# Altium PCB pcb_82.PcbDoc (part 1 of 2) (continued)
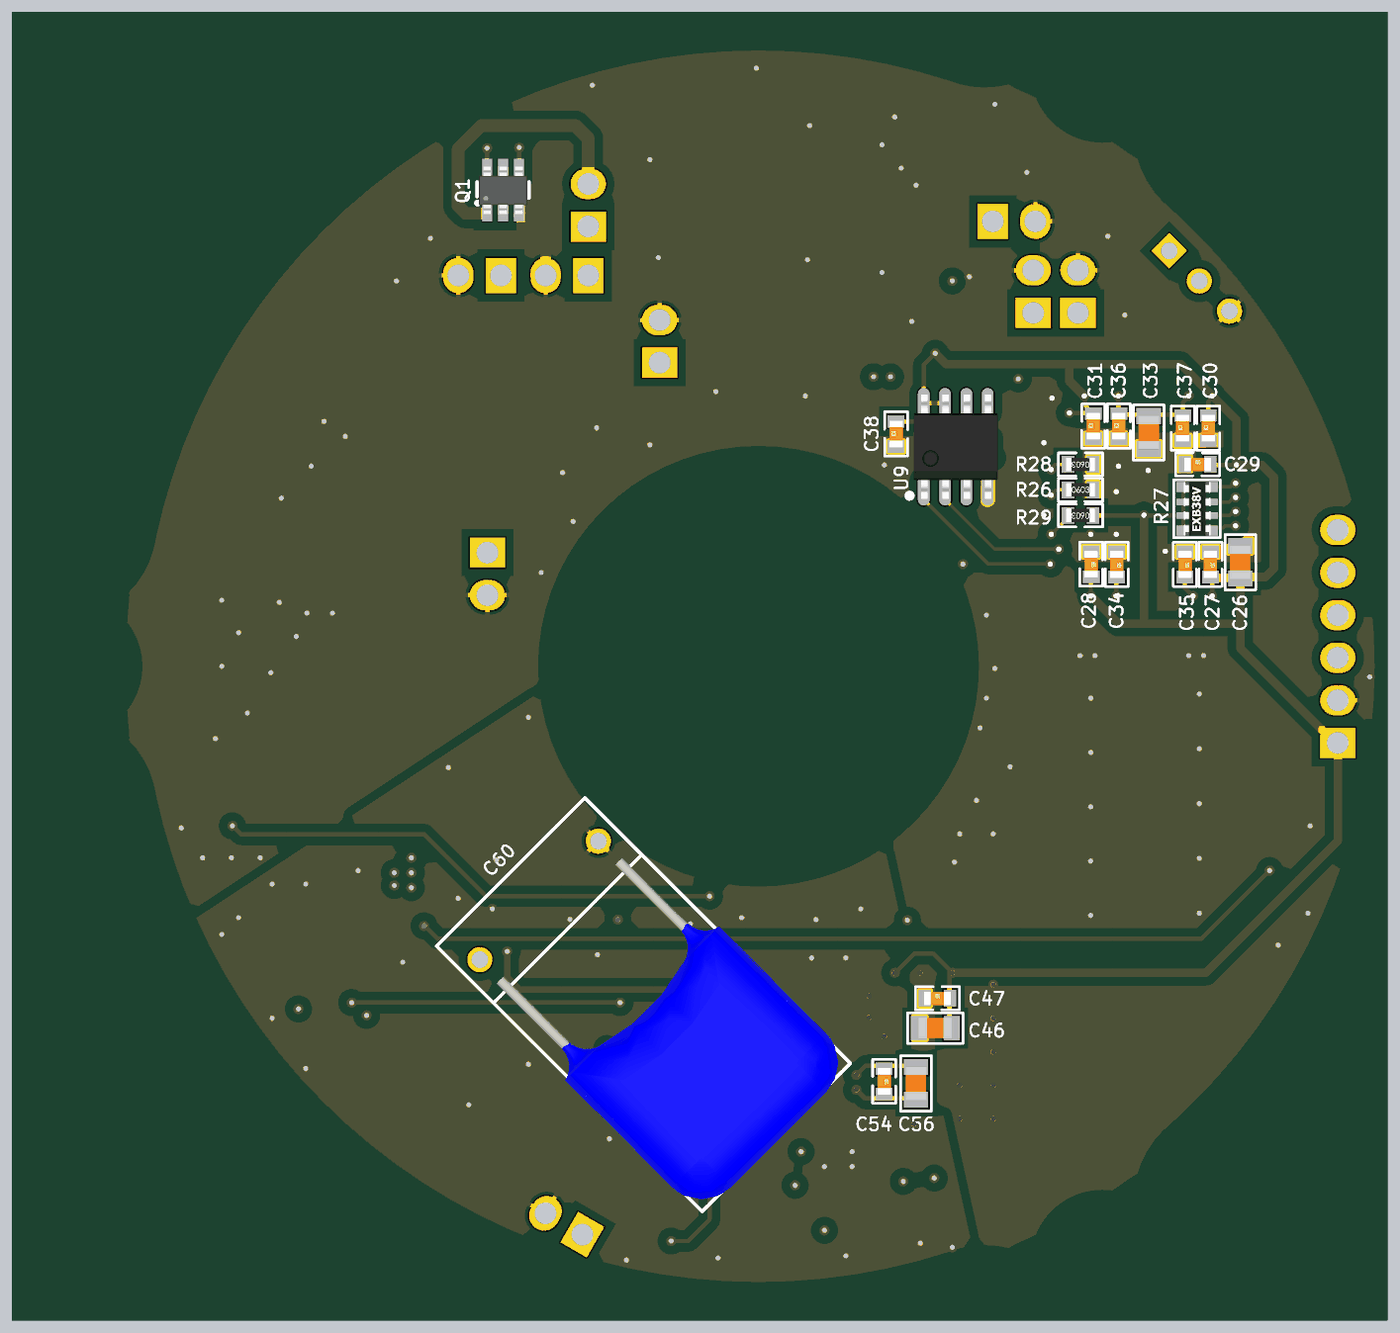
[diagram p6: 3D render of the assembled board from below, using the file's embedded part models]

## Layer stack, top to bottom
Top Solder: solder mask 0.4, Solder Resist, Dk 3.5
Top Layer: signal copper 1.4
Dielectric 2: prepreg 7.874, PP-006, Dk 4.1
Layer 1: signal copper 0.689
Dielectric 3: prepreg 41.9291, PP-006, Dk 4.1
Layer 2: signal copper 0.689
Dielectric 1: dielectric 7.874, FR-4, Dk 4.8
Bottom Layer: signal copper 1.4
Bottom Solder: solder mask 0.4, Solder Resist, Dk 3.5

## Board outline
-931.33,-1338.27 ccw(c-1108.8,-1253.1) -978.36,-1105.67 cw(c-0.02,0.02) -978.36,1105.71 ccw(c-1108.8,1253.13) -931.33,1338.31 cw(c-807.11,1397.93) -693.36,1475.7 ccw(c-530.86,1586.81) -468.41,1400.13 cw(c-0.02,0.02) 1446.7,294.44 ccw(c1639.6,333.69) 1624.63,137.41 cw(c1614.15,0.02) 1624.63,-137.38 ccw(c1639.6,-333.66) 1446.7,-294.4 cw(c-0.02,0.02) -468.41,-1400.09 ccw(c-530.86,-1586.77) -693.36,-1475.67 cw(c-807.11,-1397.9)
cut-out: -807.09,1329.02 cw(c-807.09,1397.91) -875.98,1397.91 cw(c-807.09,1397.91) -807.09,1466.81 cw(c-807.09,1397.91) -738.19,1397.91 cw(c-807.09,1397.91)
cut-out: 1545.28,0 ccw(c1614.17,0) 1614.17,-68.9 ccw(c1614.17,0) 1683.07,0 ccw(c1614.17,0) 1614.17,68.9 ccw(c1614.17,0)
cut-out: -875.98,-1397.91 ccw(c-807.09,-1397.91) -807.09,-1466.81 ccw(c-807.09,-1397.91) -738.19,-1397.91 ccw(c-807.09,-1397.91) -807.09,-1329.02 ccw(c-807.09,-1397.91)
cut-out: -492.13,0 ccw(c0,0) 0,-492.13 ccw(c0,0) 492.13,0 ccw(c0,0) 0,492.13 ccw(c0,0)

## Design rules (kind name [scope] priority, off if disabled: settings)
Clearance [All] p1: gap=6 ignorepadtopadclearanceinfootprint=TRUE except(10: Arc-Fill Track-Fill SMDPad-Fill THPad-Fill Via-Fill Fill-Fill; 20: Arc-Poly Track-Poly SMDPad-Poly THPad-THPad THPad-Via THPad-Poly THPad-Text THPad-Hole Via-Poly Fill-Poly Poly-Poly)
ComponentClearance [All] p1: gap=0 collisioncheckmode=3 verticalgap=0 showdistances=FALSE
HoleSize [All] p1: absolutevalues=TRUE maxlimit=393.7 minlimit=7.87 maxpercent=80.000 minpercent=20.000
MinimumSolderMaskSliver [All] p1: minsoldermaskwidth=0
PolygonConnect [All] p1: thpad.connectstyle=Relief thpad.reliefconductorwidth=10 thpad.reliefentries=4 thpad.polygonreliefangle="90 Angle" thpad.airgapwidth=10 smdpad.connectstyle=Direct smdpad.reliefconductorwidth=10 smdpad.reliefentries=4 smdpad.polygonreliefangle="90 Angle" smdpad.airgapwidth=10 via.connectstyle=Direct via.reliefconductorwidth=10 via.reliefentries=4 via.polygonreliefangle="90 Angle" via.airgapwidth=10
RoomDefinition U_FPGA [InComponentClass('U_FPGA')] p1: confinementstyle=ConfineIn formatcopy=TRUE lockcomponents=FALSE outline -1775,-235 10,-235 10,1580 -1775,1580
RoomDefinition U_Power [InComponentClass('U_Power')] p2: confinementstyle=ConfineIn formatcopy=TRUE lockcomponents=FALSE outline -1275,-1600 1725,-1600 1725,1495 -1275,1495
RoomDefinition "U_AtoD Conversion" [InComponentClass('U_AtoD Conversion')] p3: confinementstyle=ConfineIn formatcopy=TRUE lockcomponents=FALSE outline -1605,-1650 1610,-1650 1610,65 -1605,65
RoutingVias [All] p1: holewidth=7.87 width=17.72 viastyle="Through Hole" minholewidth=7.87 minwidth=17.72 maxholewidth=236.22 maxwidth=236.22
SilkToSilkClearance [All] p1: silktosilkclearance=1
SilkToSolderMaskClearance [IsPad] p1: minsilkscreentomaskgap=0 clearancetoexposedcopper=TRUE
SolderMaskExpansion [All] p1: expansion=4 istentingtop=FALSE
Width [All] p1: maxlimit=100 minlimit=6 preferedwidth=10
25 further rules are at their usual default settings.

## Classes and differential pairs
net class D[0..13]: D0 D1 D2 D3 D4 D5 D6 D7 D8 D9 D10 D11 D12 D13
component class U_Power: B1 BT1 C1 C2 C3 C4 C5 C6 C7 C8 C9 C10 C11 C12 C13 C14 C15 C16 C17 C18 C19 C20 C21 D2 D3 D4 D5 L1 L2 L3 L4 L8 L9 L10 L11 L12 P1 P2 P3 P4 Q1 R1 R2 R3 R4 R5 R6 R8 R10 R12 R13 R15 R16 R17 R18 R19 R20 R21 U1 U2 U3 U4 U5 U6 U7 U17
component class U_FPGA: B2 B3 C23 C24 C26 C27 C28 C29 C30 C31 C32 C33 C34 C35 C36 C37 C38 C39 C40 D1 J1 P5 P6 P7 P8 R22 R23 R24 R25 R26 R27 R28 R29 R47 U8 U9 Y1
component class "U_AtoD Conversion": B4 C41 C42 C43 C44 C45 C46 C47 C48 C49 C50 C51 C52 C53 C54 C55 C56 C57 C58 C59 C60 C61 C62 C63 C64 C65 C66 C67 C68 C69 L5 L6 L7 P9 Q2 Q3 Q4 R30 R31 R32 R33 R34 R35 R36 R37 R38 R39 R40 R41 R42 R43 R44 R45 R46 U10 U11 U12 U13 U14 U15 U16

## Components (designator, comment, footprint, x,y, rotation, side; value= is the part's Value field where it differs from the comment)
B1 "600Ω@100MHz" R0805_L 610.96,-64.51 r90 top
B2 "600Ω@100MHz" R0805_L -500,295 r0 top
B3 "600Ω@100MHz" R0805_L -415,620 r270 top
B4 "600Ω@100MHz" R0805_L -635,-335 r270 top
BT1 "18650" CP1X2 399.65,1032.93 r90 top
C1 "10uF" R0805_C 356.98,823.89 r0 top
C2 "100nF" R0603_C 493.55,1138.56 r270 top
C3 "1nF" R0603_C 485.12,828.8 r180 top
C4 "100pF" R0603_C 390,725 r270 top
C5 "100uF" CASE-E_7343 573.37,563.05 r180 top
C6 "100uF" CASE-E_7343 865,665 r270 top
C7 "10uF" R0805_C 635.96,-309.51 r0 top
C8 "10uF" R0805_C 690.96,-62.89 r90 top
C9 "100nF" R0603_C 765.96,-209.51 r270 top
C10 "1uF" R0603_C 930.96,-104.51 r0 top
C11 "10uF" R0805_C 1270.96,-259.51 r270 top
C12 "10uF" R0805_C 975.96,-314.51 r180 top
C13 "100nF" R0603_C 870.96,-324.51 r270 top
C14 "10uF" R0805_C 900.96,-424.51 r0 top
C15 "10uF" R0805_C -74.13,988.84 r0 top
C16 "10uF" R0805_C -299.13,1073.84 r270 top
C17 "10uF" R0805_C 1121.32,308.54 r270 top
C18 "22uF" R1210_C 796.32,266.93 r180 top
C19 "10uF" R0805_C -67.93,694.05 r0 top
C20 "10uF" R0805_C -297.93,775.67 r270 top
C21 "10nF" R0603_C 645.96,-404.51 r0 top
C23 "100nF" R0603_C -535,200 r270 top
C24 "100pF" R0603_C -525,845 r180 top
C26 "10uF" R0805_C -1131.07,244.2 r270 bottom
C27 "100nF" R0603_C -1061.07,239.2 r270 bottom
C28 "100nF" R0603_C -781.07,239.68 r270 bottom
C29 "100nF" R0603_C -1031.07,474.2 r180 bottom
C30 "100nF" R0603_C -1056.07,559.2 r90 bottom
C31 "100nF" R0603_C -786.07,564.2 r90 bottom
C32 "100nF" R0603_C -1290,480 r270 top
C33 "10uF" R0805_C -916.07,549.2 r270 bottom
C34 "100nF" R0603_C -841.07,239.2 r270 bottom
C35 "100nF" R0603_C -1001.07,239.2 r270 bottom
C36 "100nF" R0603_C -846.07,564.2 r90 bottom
C37 "100nF" R0603_C -996.07,559.2 r90 bottom
C38 "100nF" R0603_C -323.03,545.68 r90 bottom
C39 "100nF" R0603_C -371.65,1058.84 r270 top
C40 "100nF" R0603_C -440,520 r0 top
C41 "100nF" R0603_C -254.71,-1220.37 r180 top
C42 "10uF" R0805_C 445.32,-738.3 r270 top
C43 "100nF" R0603_C 378.15,-748.9 r270 top
C44 "10uF" R0805_C 161.74,-954.01 r0 top
C45 "100nF" R0603_C 200.13,-859.49 r270 top
C46 "22uF" R0805_C -415,-850 r180 bottom
C47 "100nF" R0603_C -420,-780 r180 bottom
C48 "10uF" R0805_C 1098.66,-729.74 r195 top
C49 "100nF" R0603_C 1050.18,-604.08 r195 top
C50 "100nF" R0603_C 1065.71,-662.04 r195 top
C51 "100nF" R0603_C -155,-1245 r270 top
C52 "10uF" R0805_C -453.38,-1280.76 r270 top
C53 "100nF" R0603_C -320,-535 r0 top
C54 "100nF" R0603_C -295,-975 r270 bottom
C55 "100nF" R0603_C -380,-1275 r90 top
C56 "10uF" R0805_C -370,-980 r270 bottom
C57 "100nF" R0603_C -59.69,-1007.65 r0 top
C58 "100nF" R0603_C -60.67,-949.34 r0 top
C59 "10nF" R0603_C 24.59,-1045.89 r90 top
C60 "470nF/聚酯" "P=10MM -L" 515,-550 r315 bottom
C61 "100nF" R0603_C 215.13,-639.01 r90 top
C62 "100nF" R0603_C 275,-515 r90 top
C63 "100pF" R0603_C 405,-1225 r0 top
C64 "100pF" R0603_C 405,-1165 r180 top
C65 "100pF" R0603_C 279.15,-1180.24 r0 top
C66 "100pF" R0603_C 279.15,-1293.38 r180 top
C67 "100pF" R0603_C 540.13,-864.01 r90 top
C68 "100nF" R0603_C 116.52,-1067.1 r180 top
C69 "100nF" R0603_C 65,-1345 r180 top
D1 "MHT192WDT-C2" LED_0603_RED -420,1305 r0 top
D2 "B340A-13-F" SMA(DO-214AC)_S2 795.96,-9.51 r270 top
D3 "B340A-13-F" SMA(DO-214AC)_S2 990.96,-9.51 r180 top
D4 "B340A-13-F" SMA(DO-214AC)_S2 930.96,-204.51 r0 top
D5 "B340A-13-F" SMA(DO-214AC)_S2 778.64,391.93 r0 top
J1 "HEADER3/2.54" SIP3/2.54 -964.29,975.71 r225 top
L1 "4.7uH" NR2520 715,795 r0 top
L2 "4.7uH" NR2520 1115.96,-189.51 r180 top
L3 "1kΩ @ 100MHz" R1206_L 1365,-245 r270 top
L4 "1kΩ @ 100MHz" R1206_L 20,1120 r270 top
L5 "1kΩ @ 100MHz" R1206_L 535,-720 r270 top
L6 "1kΩ @ 100MHz" R1206_L 123.13,-831.01 r270 top
L7 "1kΩ @ 100MHz" R1206_L 897.78,-563.92 r15 top
L8 "2.2uH" NR2016 -199.13,988.84 r180 top
L9 "4.7uH" NR2520 966.32,376.93 r180 top
L10 "1kΩ @ 100MHz" R1206_L 1210,325 r270 top
L11 "1kΩ @ 100MHz" R1206_L 20,840 r270 top
L12 "2.2uH" NR2016 -192.93,694.05 r180 top
P1 "Header 2" CP1X2 399.65,917.93 r0 top
P2 "Header 2" CP1X2 232.02,713.2 r90 top
P3 "Header 2" CP1X2 604.65,917.93 r0 top
P4 "Header 2" CP1X2 636.32,266.93 r270 top
P5 "Header 2" CP1X2 -750,830 r90 top
P6 "Header 2" CP1X2 -645,830 r90 top
P7 "Header 2" CP1X2 -550,1045 r180 top
P8 "JTAG" CP1X6 -1360,-180 r90 top
P9 "Header 2" CP1X2 413.4,-1335 r30 top
Q1 "DMG6968UDM-7" DBV0006A_N 599.65,1117.93 r90 bottom
Q2 "MMBT3906TT1G" SOT-23(SOT-23-3) 923.09,-963.14 r15 top
Q3 "MMBT3906TT1G" SOT-23(SOT-23-3) 805.22,-769.3 r285 top
Q4 "FDV301N" SOT-23 762.46,-623.37 r285 top
R1 "470R" R0603_R 493.55,1028.09 r90 top
R2 "2K" R0603_R 700,1110 r270 top
R3 "470R" R0603_R 620,740 r90 top
R4 "10M" R0603_R 584.18,1002.93 r0 top
R5 "1M" R0603_R 325,725 r270 top
R6 "10M" R0603_R 694.18,1002.93 r0 top
R8 "1R" R0603_R 1040.96,-104.51 r180 top
R10 "649K" R0603_R 1026.43,-399.51 r180 top
R12 "0R" R0603_R 1200.96,-184.51 r270 top
R13 "100K" R0603_R 1135.96,-399.51 r180 top
R15 "412K" R0603_R -229.13,1088.84 r270 top
R16 "100K" R0603_R -259.13,1173.84 r0 top
R17 "1.4M" R0603_R 856.79,171.93 r180 top
R18 "0R" R0603_R 1051.32,391.93 r270 top
R19 "100K" R0603_R 966.32,171.93 r180 top
R20 "150K" R0603_R -227.93,794.05 r270 top
R21 "100K" R0603_R -257.93,879.05 r0 top
R22 "47R" R0603_R -550,930 r90 top
R23 "330R" R0603_R -450,1220 r90 top
R24 "4.7K" R0603_R -995.88,824.12 r225 top
R25 "4.7K" R0603_R -920,900 r45 top
R26 "4.7K" R0603_R -756.07,414.2 r180 bottom
R27 "4.7K" R0603X4 -1030,370 r0 bottom
R28 "4.7K" R0603_R -756.07,474.2 r0 bottom
R29 "4.7K" R0603_R -756.07,354.2 r0 bottom
R30 "1K" R0603_R 904.64,-867.11 r15 top
R31 "51R" R0603_R 771.64,-900.19 r195 top
R32 "30R" R0603_R -60,-830 r180 top
R33 "30R" R0603_R -60,-770 r180 top
R34 "2K" R0603_R -61.21,-1070.28 r180 top
R35 "1K" R0603_R 666.76,-954.69 r105 top
R36 "10K" R0603_R -61.65,-891.04 r0 top
R37 "30K" R0603_R 1007.25,-774.94 r285 top
R38 "10K" R0603_R 215.13,-749.01 r90 top
R39 "30K" R0603_R 275.13,-749.49 r270 top
R40 "100K" R0603_R 440,-1080 r270 top
R41 "100K" R0603_R 279.15,-1236.81 r0 top
R42 "1K" R0603_R 480.13,-864.01 r270 top
R43 "10K" R0603_R 235,-1060 r0 top
R44 "100K" R0603_R 345,-1060 r180 top
R45 "10K" R0603_R 280,-1120 r180 top
R46 "100K" R0603_R 279.15,-1349.94 r0 top
R47 "100K" R0603_R -525,785 r180 top
U1 "S-8261AAJMD-G2JT2S" DBV0006A_N 599.65,1117.93 r270 top
U2 "TPS22917DBVR" DBV0006A_N 502.02,728.2 r0 top
U3 "ADP7182AUJZ-5.0-R7" SOT23-5 640.96,-199.51 r180 top
U4 "TLV61048DBVT" DBV0006A_N 1140.96,-299.51 r0 top
U5 "LP2992AIM5-5.0/NOPB" SOT23-5 769.78,-351.81 r270 top
U6 "TLV62568DBVR" SOT23-5 -118.32,1092.7 r0 top
U7 "TLV61048DBVT" DBV0006A_N 996.32,266.93 r0 top
U8 "EP1C3T100C7N" TQFP100 -906.07,394.2 r180 top
U9 "M25P40" SOP-8_150mil -463.03,515.68 r180 bottom
U10 "REF3325AIDBZR" SOT-23(SOT-23-3) -251.18,-1329.97 r90 top
U11 "AD9240ASZRL" MQFP44 -255.75,-654.04 r270 top
U12 "LM4051AIM3" SOT-23(SOT-23-3) 785.62,-1010.32 r105 top
U13 "LTC2050HVHS6" DBV0006A_N 924.09,-678.68 r15 top
U14 "REF3325AIDBZR" SOT-23(SOT-23-3) 325.11,-632.23 r180 top
U15 "AD8336" LFCSP16 300.05,-995.55 r90 top
U16 "AD8510ARZ" SOP-8_150mil 74.26,-1208.27 r90 top
U17 "TLV62568DBVR" SOT23-5 -112.93,799.05 r0 top
Y1 "20MHZ" SMD-3225 -440,425 r270 top

## Footprints (in the part's own frame and the unit in brackets; to place one, negate y for a bottom-side part, rotate by r counter-clockwise, add the part's x,y. Pads: shape width x height; smd on the part's side, far side on the other; paste and mask are expansions set on the pad)
CASE-E_7343 [mm] "CAPMP7343X430A2N"
  rrect50% 2.351x2.551 smd: 1(-3.1,0) 2(3.1,0)
  silkscreen extent -1.75,-2 -1.25,2, body extent -3.7,-2.22 3.7,2.23, height 4.2
CP1X2 [mm]
  rect 1.8x2.1 hole 1.3: 1(0,0)
  oval 1.8x2.1 hole 1.3: 2(2.54,0)
  silkscreen extent -1.27,-1.27 3.81,1.27
CP1X6 [mm] "Connector; Header; 6 Position"
  rect 1.8x2.1 hole 1.3: 1(0,0)
  oval 1.8x2.1 hole 1.3: 2(2.54,0) 3(5.08,0) 4(7.62,0) 5(10.16,0) 6(12.7,0)
  silkscreen extent -1.27,-1.27 13.97,1.27
DBV0006A_N [mm]
  rect 1x0.6 smd paste+0 mask+0.051: 1(-1.375,0.95) 2(-1.375,0) 3(-1.375,-0.95) 4(1.375,-0.95) 5(1.375,0) 6(1.375,0.95)
  silkscreen extent -0.86,-1.55 0.5,1.62, body extent -1.41,-1.45 1.41,1.45, height 1
LED_0603_RED [mm]
  rect 0.8x0.8 smd mask+0.05: 1(-0.75,0) 2(0.75,0)
  silkscreen extent -0.25,-0.4 1.25,0.4, body extent -0.8,-0.41 0.8,0.41, height 0.6
LFCSP16 [mm]
  oct 1.2x0.4 smd: 1(0,0)
  rect 1.2x0.4 smd: 2(0,-0.65) 3(0,-1.3) 4(0,-1.95) 9(4,-1.95) 10(4,-1.3) 11(4,-0.65) 12(4,0)
  rect 0.4x1.2 smd: 5(1.025,-3.05) 6(1.675,-3.05) 7(2.325,-3.05) 8(2.975,-3.05) 13(2.975,0.95) 14(2.325,0.95) 15(1.675,0.95) 16(1.025,0.95)
  Top Layer region: 1.05,-1.95 3,-1.95 3,0 1.05,0
  silkscreen extent -0.6,-3.65 4.6,1.55, body extent 0,-2.97 4,1.03, height 1
MQFP44 [mil]
  rect 75x16 smd: 1(0,0)
  oval 75x16 smd: 2(0,-31.5) 3(0,-63) 4(0,-94.49) 5(0,-126) 6(0,-157.48) 7(0,-188.98) 8(0,-220.47) 9(0,-251.97) 10(0,-283.46) 11(0,-314.96) 23(490,-314) 24(490,-283) 25(490,-251) 26(490,-220) 27(490,-188) 28(490,-157) 29(490,-126) 30(490,-94) 31(490,-63) 32(490,-31) 33(490,0)
  oval 16x75 smd: 12(88,-402) 13(119,-402) 14(151,-402) 15(182,-402) 16(214,-402) 17(245,-402) 18(276,-402) 19(308,-402) 20(339,-402) 21(371,-402) 22(402,-402) 34(402,88) 35(371,88) 36(339,88) 37(308,88) 38(276,88) 39(245,88) 40(214,88) 41(182,88) 42(151,88) 43(119,88) 44(88,88)
  silkscreen extent -5,-405 494,89, body extent -15,-417 505,102, height 89
NR2016 [mm]
  rrect50% 0.85x1.8 smd: 1(-0.825,0) 2(0.825,0)
  silkscreen extent -0.25,-0.89 0.25,0.89, body extent -1.05,-0.8 1.05,0.8, height 0.9
NR2520 [mm]
  rrect50% 0.85x2 smd: 1(-0.825,0) 2(0.825,0)
  silkscreen extent -0.23,-0.89 0.23,0.89, body extent -1.26,-1.04 1.26,1.04, height 1.2
"P=10MM -L" [mm]
  round 1.5 hole 1: 1(-5,0) 2(5,0)
  silkscreen extent -6.25,-2.4 6.25,20, body extent -6.5,1.69 6.5,20.19, height 5
R0603_C [mm]
  rect 0.75x1 smd: 1(-0.75,0) 2(0.75,0)
  silkscreen extent -1.32,-0.69 1.32,0.69, body extent -0.8,-0.4 0.8,0.4, height 0.3
R0603_R [mm]
  rect 0.75x1 smd: 1(-0.75,0) 2(0.75,0)
  silkscreen extent -1.32,-0.69 1.32,0.69, body extent -0.85,-0.4 0.85,0.4, height 0.56
R0603X4 [mm]
  rect 0.85x0.6 smd paste+0 mask+0: 1(-0.825,1.3) 4(-0.825,-1.3) 5(0.825,-1.3) 8(0.825,1.3)
  rect 0.85x0.4 smd paste+0 mask+0: 2(-0.825,0.4) 3(-0.825,-0.4) 6(0.825,-0.4) 7(0.825,0.4)
  silkscreen extent -1.37,-1.73 1.4,1.73, body extent -0.8,-1.6 0.8,1.6, height 0.51
R0805_C [mm] "Chip Resistor; Body 80x50mil (2.0 x 1.3 mm)"